# Altium PCB XTIDA-010086.PcbDoc (part 6 of 17) (continued)
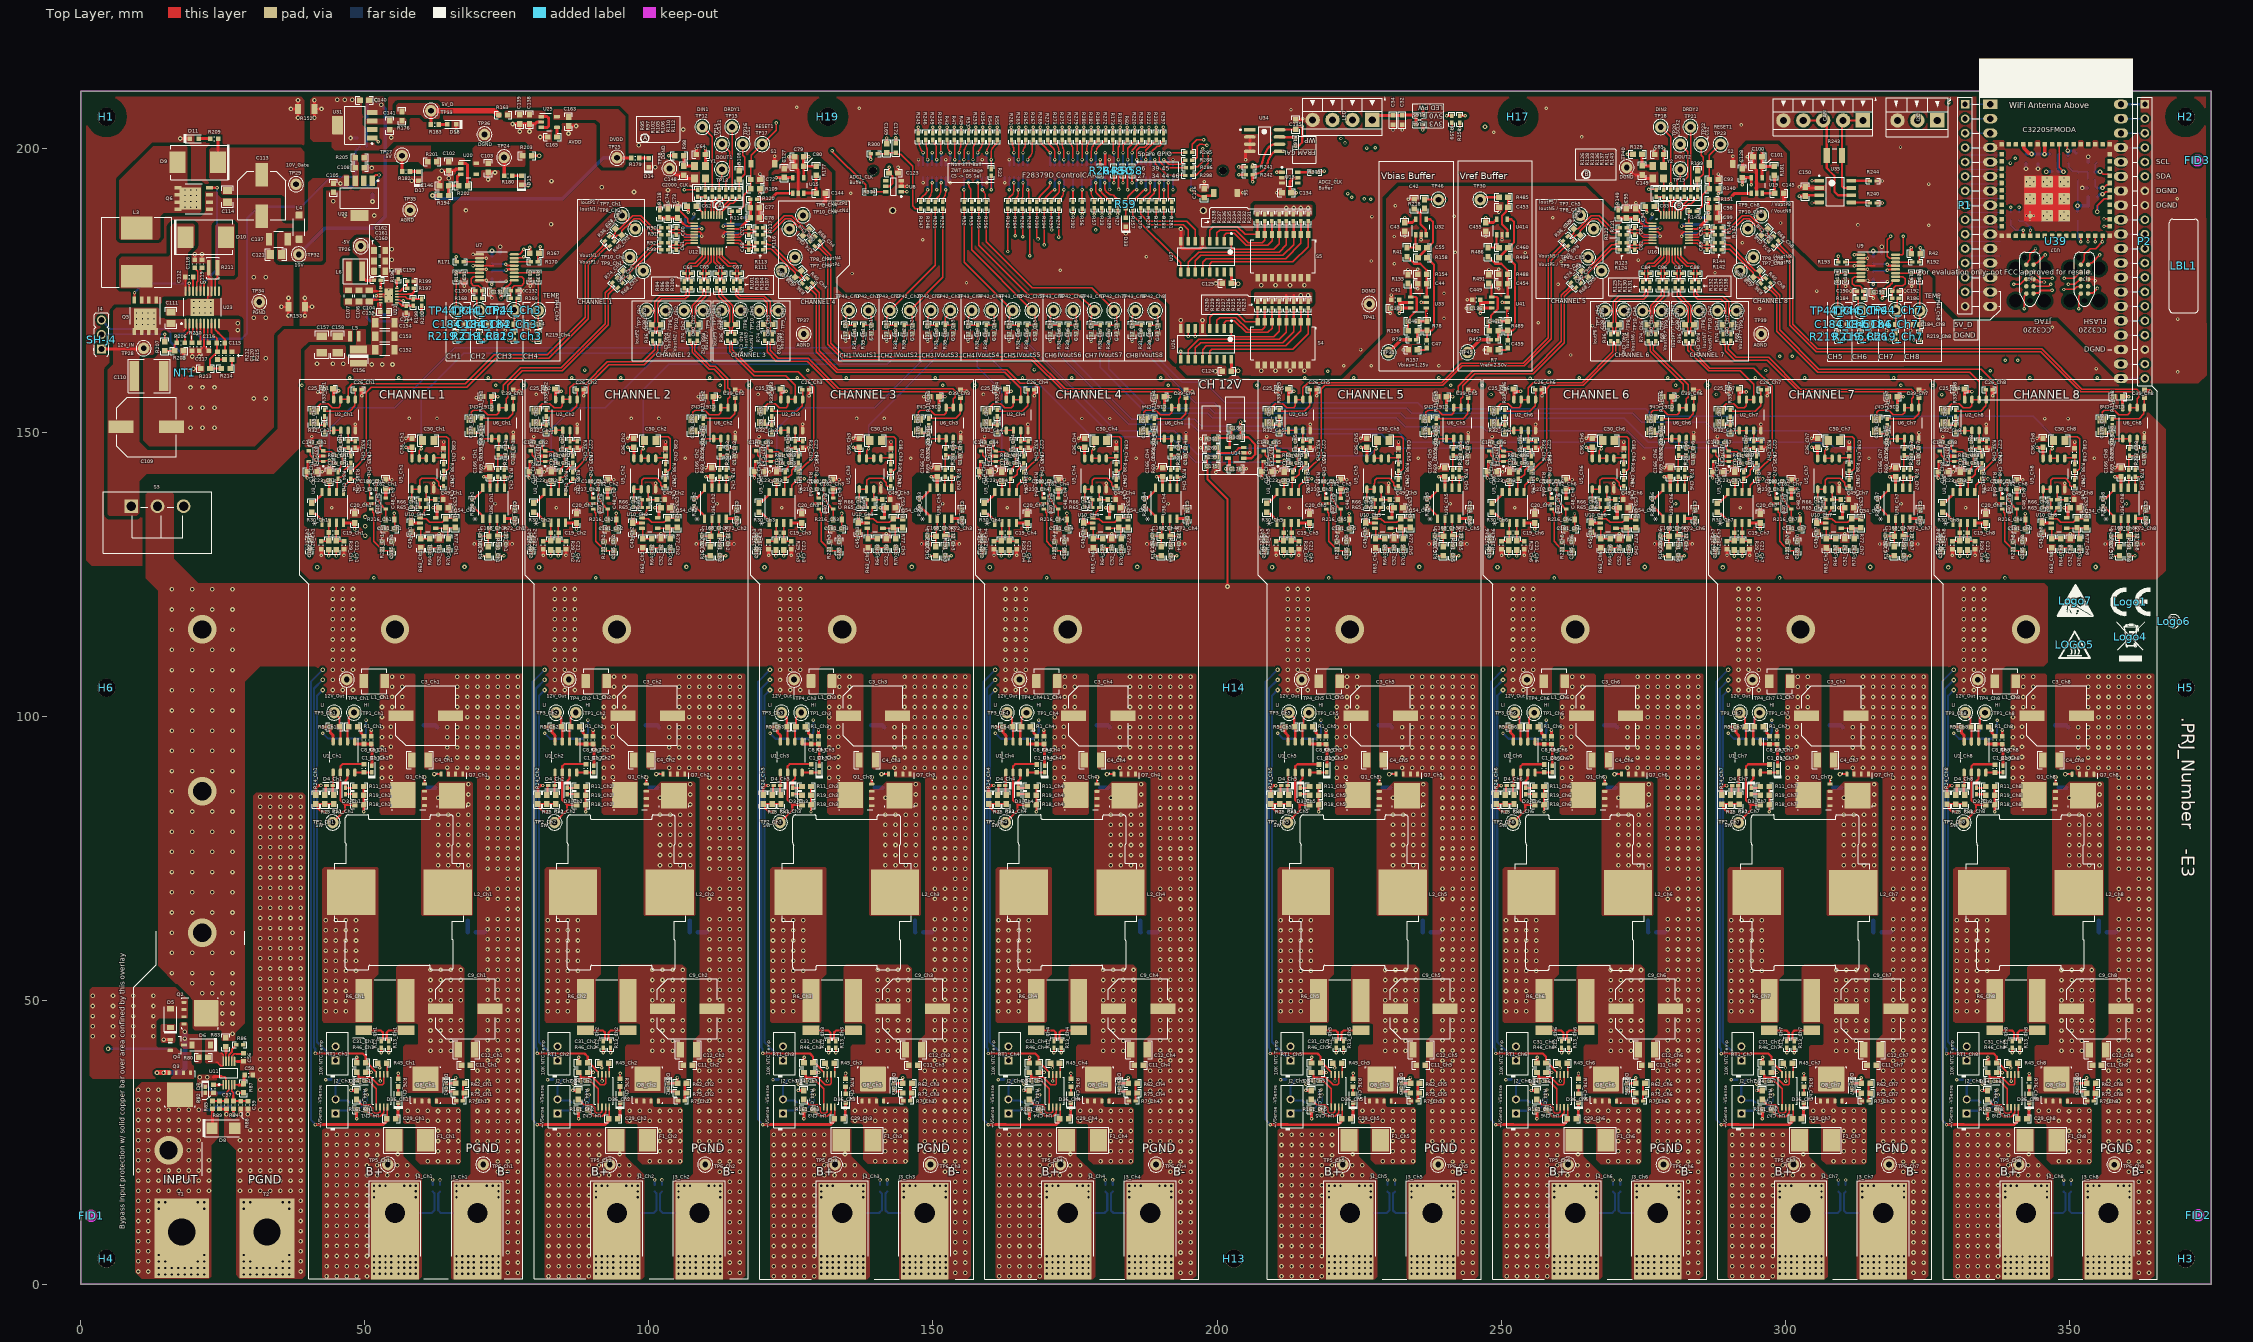
[diagram p0: Top Layer view]
## Part data (continued)
R243: "Resistor", LatestRevisionDate=29-May-2009, LatestRevisionNote="IPC-7351 Footprint Added.", PackageDescription="Chip Resistor", PackageReference=J1-0603, Published=8-Jun-2000, Publisher="Altium Limited"
R260 R303: library part Resistor, "RES, 13 k, 0.1%, 0.1 W, 0603", Manufacturer="Yageo America", Power_W=100mW, TempCo="25 ppm/C", Tolerance_%=0.1%, Value2=0.1W, Value_Code=13k, AEC Category=Q200, AEC Qualified=?, CompType=Resistor, EIA_Code=E192, LatestRevisionDate=2017-03-09, MountType=SMT, PackageReference=0603, Published=2008-06-26, Publisher="Texas Instruments", Res_ohm=13k, RoHS=Y, SizeArea_mm2=1.28, SizeX_mm=1.6, SizeY_mm=0.8, SizeZ_mm=1, Technology="Thin Film", U/M=EA, Value1=0.1%, ValueDisplayed=13k, VDC_V=75V
R299 R301: library part Resistor, "RES, 80.6 k, 0.1%, 0.1 W, 0603", Manufacturer="Yageo America", Power_W=100mW, TempCo="25 ppm/C", Tolerance_%=0.1%, Value2=0.1W, Value_Code=80.6k, AEC Category=Q200, AEC Qualified=?, ComponentLink1Description="Datasheet link", ComponentLink1URL=http://www.yageo.com/pdf/PYu-RT_1-to-0.05_RoHS_L_3.pdf, CompType=Resistor, EIA_Code=E192, LatestRevisionDate=2017-03-09, MountType=SMT, PackageReference=0603, Published=2008-06-26, Publisher="Texas Instruments", Res_ohm=80.6k, RoHS=Y, SizeArea_mm2=1.28, SizeX_mm=1.6, SizeY_mm=0.8, SizeZ_mm=1, Supplier 1=Mouser, Technology="Thin Film", U/M=EA, Value1=0.1%, ValueDisplayed=80.6k, VDC_V=75V
R316: library part RES_generic, "2.7k 1% 100mW 0603 metal-film resistor AEC-Q200 qualified, RoHS compliant", ID=11446
RT1_Ch1 RT1_Ch2 RT1_Ch3 RT1_Ch4 RT1_Ch5 RT1_Ch6 RT1_Ch7 RT1_Ch8: "Thermistor", Code_IPC=RESC2012, Group=TS, LatestRevisionDate=29-May-2009, LatestRevisionNote="IPC-7351 Footprint Added.", PackageDescription="Chip Resistor 0805 Case Size", PackageReference=6-0805, PackageVersion=Mar-2003, Published=24-Mar-1999, Publisher="Altium Limited"
S1 S2 S6: library part CMP-0002143-3, "Switch, Tactile, SPST-NO, 0.05A, 12V, SMT", CurrentRating_mA=50A, Manufacturer=E-Switch, PartNumber=TL1015AF160QG, Supplier Part Number 1=EG4344CT-ND, Circuit=SPST-NO, ComponentLink1Description="Datasheet URL", ComponentLink1URL=http://spec.e-switch.com/P-J/P420000.pdf, CompType=Switch, LatestRevisionDate=2017-03-09, MountType=SMT, Orientation="Top Actuated", PackageReference="Switch, 4.4x2x2.9 mm", PositionCount=1, Publisher="Texas Instruments", RoHS=Y, Supplier 1=Digi-Key, Supplier 2=Newark, Supplier 3=Mouser, Supplier Part Number 2=15N4458, Supplier Part Number 3=612-TL1015AF, SwitchFunction=Off-Mom, VDC_V=12V
S3: "SWITCH SLIDE SPST 4A PCB, TH", CurrentRating_mA=4000, Manufacturer="C&K Components", Supplier Part Number 1=CKC5106-ND, Circuit=SPST, ComponentLink1Description="Datasheet URL", ComponentLink1URL=https://sps06.itg.ti.com/sites/KMS/crossdivteams/altium/docs/ComponentDatasheets/L_17may12.pdf, CompType=Switch, LatestRevisionDate=2017-04-05, MountType=TH, Orientation=Vertical, PackageReference="Slide Switch, TH, SPST", PartNumber=L101011MS02Q, PositionCount=1, Publisher="Texas Instruments", RoHS=Y, Supplier 1=Digi-Key, Supplier 2=Newark, Supplier 3=Mouser, Supplier Part Number 2=40M0406, Supplier Part Number 3=611-L101011MS02Q, SwitchFunction=Off-On, Symbol Creator=a0411947, Symbol Version=2013-04-17, VDC_V=125
S4 S5: library part CMP-0002229-1, "Switch, SPST, 8 Pos, 25mA, 24VDC, SMD", CurrentRating_mA=25A, Manufacturer="CTS Electrocomponents", Supplier Part Number 1=CT2188LPST-ND, Circuit=SPST, ComponentLink1Description="Datasheet Link", ComponentLink1URL=http://www.ctscorp.com/components/Datasheets/218.pdf, CompType=Switch, LatestRevisionDate=2017-03-09, MountType=SMT, Orientation="Top Actuated", PackageReference=11.33x5.8mm, PartNumber=218-8LPST, PositionCount=8, Publisher="Texas Instruments", RoHS=Y, Supplier 1=Digi-Key, Supplier 2=Mouser, Supplier Part Number 2=774-2188LPST, SwitchFunction=Off-On, VDC_V=24V
SH-J4: "Shunt, 2.54mm, Gold, Black", Manufacturer="Wurth Elektronik", Supplier Part Number 1=732-2678-ND, ComponentLink1Description="Datasheet Link", ComponentLink1URL=http://katalog.we-online.de/em/datasheet/60900213421.pdf, CompType=Shunt, Green_EU RoHS=Passed, Green_EU RoHS-2=Incomplete, Green_Lifecycle=Active, Green_REACh=Passed, LatestRevisionDate=2017-06-22, MountType=N/A, PackageReference="Shunt, 2.54mm, Black", PartNumber=60900213421, Publisher="Texas Instruments", RoHS=Y, Supplier 1=Digi-Key, Supplier 2=Newark, Supplier 3=Mouser, Supplier Part Number 2=16T0609, Supplier Part Number 3=710-60900213421
T1 T2: "Terminal 50A Lug", Manufacturer=Panduit, Supplier Part Number 1=CB35-36-CY-ND, Voltage_V=600, Cert_CULUS=Y, ComponentLink1Description="Datasheet URL", ComponentLink1URL=http://www.panduit.com/heiler/PartDrawings/C-PCCB25-18-CY--ENG.pdf, CompType="Screw Terminal", ContactFinish=Copper, Green_EU RoHS=Incomplete, Green_EU RoHS-2=Incomplete, Green_Lifecycle="Not Set", Green_REACh=Incomplete, LatestRevisionDate=2017-06-26, MountType=TH, PackageReference=CB35-36-CY, PartNumber=CB35-36-CY, Publisher="Texas Instruments", RoHS=Y, Supplier 1=Digi-Key, SymbolCreator=crossc, SymbolVersion=2009-10-14
TP1_Ch1 TP1_Ch2 TP1_Ch3 TP1_Ch4 TP1_Ch5 TP1_Ch6 TP1_Ch7 TP1_Ch8 TP3_Ch1 TP3_Ch2 TP3_Ch3 TP3_Ch4 TP3_Ch5 TP3_Ch6 TP3_Ch7 TP3_Ch8 TP7_Ch1 TP7_Ch2 TP7_Ch3 TP7_Ch4 TP7_Ch5 TP7_Ch6 TP7_Ch7 TP7_Ch8 TP8_Ch1 TP8_Ch2 TP8_Ch3 TP8_Ch4 TP8_Ch5 TP8_Ch6 TP8_Ch7 TP8_Ch8 TP9_Ch1 TP9_Ch2 TP9_Ch3 TP9_Ch4 TP9_Ch5 TP9_Ch6 TP9_Ch7 TP9_Ch8 TP10_Ch1 TP10_Ch2 TP10_Ch3 TP10_Ch4 TP10_Ch5 TP10_Ch6 TP10_Ch7 TP10_Ch8 TP12 TP13 TP14 TP15 TP16 TP17 TP18 TP19 TP20 TP21 TP22 TP23 TP42_Ch1 TP42_Ch2 TP42_Ch3 TP42_Ch4 TP42_Ch5 TP42_Ch6 TP42_Ch7 TP42_Ch8 TP43_Ch1 TP43_Ch2 TP43_Ch3 TP43_Ch4 TP43_Ch5 TP43_Ch6 TP43_Ch7 TP43_Ch8 TP44_Ch1 TP44_Ch2 TP44_Ch3 TP44_Ch4 TP44_Ch5 TP44_Ch6 TP44_Ch7 TP44_Ch8: "Test Point, Miniature, White, TH", Color=White, Manufacturer=Keystone, Supplier Part Number 1=36-5002-ND, ComponentLink1Description="Datasheet URL", ComponentLink1URL=http://www.keyelco.com/userAssets/file/M60-2p60.pdf, CompType="Test Point Loop", ContactFinish=Silver, Green_EU RoHS=Passed, Green_EU RoHS-2=Passed, Green_Lifecycle=Active, Green_REACh=Passed, LatestRevisionDate=2017-05-11, MountType=TH, PackageReference="White Miniature Testpoint", PartNumber=5002, Publisher="Texas Instruments", RoHS=Y, Supplier 1=Digi-Key, Supplier 2=Newark, Supplier 3=Mouser, Supplier Part Number 2=82H9632, Supplier Part Number 3=534-5002, SymbolVersion=2008-04-04
  TP7_Ch1 TP7_Ch2 TP7_Ch3 TP7_Ch4 TP7_Ch5 TP7_Ch6 TP7_Ch7 TP7_Ch8 TP8_Ch1 TP8_Ch2 TP8_Ch3 TP8_Ch4 TP8_Ch5 TP8_Ch6 TP8_Ch7 TP8_Ch8: Group2=CS
  TP9_Ch1 TP9_Ch2 TP9_Ch3 TP9_Ch4 TP9_Ch5 TP9_Ch6 TP9_Ch7 TP9_Ch8 TP10_Ch1 TP10_Ch2 TP10_Ch3 TP10_Ch4 TP10_Ch5 TP10_Ch6 TP10_Ch7 TP10_Ch8: Group2=VSD
  TP42_Ch1 TP42_Ch2 TP42_Ch3 TP42_Ch4 TP42_Ch5 TP42_Ch6 TP42_Ch7 TP42_Ch8: Group=ACS, Group2=VSS
  TP43_Ch1 TP43_Ch2 TP43_Ch3 TP43_Ch4 TP43_Ch5 TP43_Ch6 TP43_Ch7 TP43_Ch8: Group=ACS, Group2=CS
  TP44_Ch1 TP44_Ch2 TP44_Ch3 TP44_Ch4 TP44_Ch5 TP44_Ch6 TP44_Ch7 TP44_Ch8: Group=TS
TP2_Ch1 TP2_Ch2 TP2_Ch3 TP2_Ch4 TP2_Ch5 TP2_Ch6 TP2_Ch7 TP2_Ch8 TP4_Ch1 TP4_Ch2 TP4_Ch3 TP4_Ch4 TP4_Ch5 TP4_Ch6 TP4_Ch7 TP4_Ch8 TP5_Ch1 TP5_Ch2 TP5_Ch3 TP5_Ch4 TP5_Ch5 TP5_Ch6 TP5_Ch7 TP5_Ch8 TP24 TP25 TP26 TP27 TP28 TP29 TP30 TP31 TP32 TP33 TP45 TP46: "Test Point, Miniature, Red, TH", Color=Red, Manufacturer=Keystone, Supplier Part Number 1=36-5000-ND, ComponentLink1Description="Datasheet URL", ComponentLink1URL=http://www.keyelco.com/userAssets/file/M60-2p60.pdf, CompType="Test Point Loop", ContactFinish=Silver, Green_EU RoHS=Passed, Green_EU RoHS-2=Incomplete, Green_Lifecycle=Active, Green_REACh=Passed, LatestRevisionDate=2017-05-11, MountType=TH, PackageReference="Red Miniature Testpoint", PartNumber=5000, Publisher="Texas Instruments", RoHS=Y, Supplier 1=Digi-Key, Supplier 2=Mouser, Supplier Part Number 2=534-5000, SymbolVersion=2008-04-04
  TP4_Ch1 TP4_Ch2 TP4_Ch3 TP4_Ch4 TP4_Ch5 TP4_Ch6 TP4_Ch7 TP4_Ch8 TP5_Ch1 TP5_Ch2 TP5_Ch3 TP5_Ch4 TP5_Ch5 TP5_Ch6 TP5_Ch7 TP5_Ch8: Group=PS
TP6_Ch1 TP6_Ch2 TP6_Ch3 TP6_Ch4 TP6_Ch5 TP6_Ch6 TP6_Ch7 TP6_Ch8 TP34 TP35 TP36 TP37 TP38 TP39 TP40 TP41: "Test Point, Miniature, Black, TH", Color=Black, Manufacturer=Keystone, Supplier Part Number 1=36-5001-ND, ComponentLink1Description="Datasheet URL", ComponentLink1URL=http://www.keyelco.com/userAssets/file/M60-2p60.pdf, CompType="Test Point Loop", ContactFinish=Silver, Green_EU RoHS=Passed, Green_EU RoHS-2=Incomplete, Green_Lifecycle=Active, Green_REACh=Passed, LatestRevisionDate=2017-05-11, MountType=TH, PackageReference="Black Miniature Testpoint", PartNumber=5001, Publisher="Texas Instruments", RoHS=Y, Supplier 1=Digi-Key, Supplier 2=Mouser, Supplier Part Number 2=534-5001, SymbolVersion=2008-04-04
  TP6_Ch1 TP6_Ch2 TP6_Ch3 TP6_Ch4 TP6_Ch5 TP6_Ch6 TP6_Ch7 TP6_Ch8: Group=PS
U1_Ch1 U1_Ch2 U1_Ch3 U1_Ch4 U1_Ch5 U1_Ch6 U1_Ch7 U1_Ch8: library part CMP-0071433-1, "High Voltage 1A Peak Half Bridge Gate Driver, 8-pin Narrow SOIC, Pb-Free", Manufacturer="Texas Instruments", PackageTopMarking=NSZXTT*L5109*BMA, PowerWise=N, Code_IPC=SOIC127P600-8, Code_JEDEC=MS-012-AA, ComponentLink1Description="Datasheet URL", ComponentLink1URL=http://www.ti.com/general/docs/lit/getliterature.tsp?genericPartNumber=LM5109B&fileType=pdf, CompType=MiscPower, PackageDescription="SOIC Narrow, 4.9 x 3.9 x 1.45mm, 8 Lead, 1.27mm Pitch", PackageReference=D0008A, PinCount=8, RoHS=Y
U2_Ch1 U2_Ch2 U2_Ch3 U2_Ch4 U2_Ch5 U2_Ch6 U2_Ch7 U2_Ch8 U5_Ch1 U5_Ch2 U5_Ch3 U5_Ch4 U5_Ch5 U5_Ch6 U5_Ch7 U5_Ch8 U6_Ch1 U6_Ch2 U6_Ch3 U6_Ch4 U6_Ch5 U6_Ch6 U6_Ch7 U6_Ch8: library part Opamp_Dual, "36V, Low Power, RRO, General Purpose Operational Amplifier, D0008A (SOIC-8)", Alternate Manufacturer="Texas Instruments", ComponentLink1Description="Datasheet Link", ComponentLink1URL=http://www.ti.com/lit/ds/symlink/tlv2171.pdf, CompType=IC, Footprint Path 6=C:\AltiumLibraries\Footprints\TI\.PcbLib, LatestRevisionDate=2017-06-09, Manufacturer="Texas Instruments", MountType=SMT, PackageDescription=SOIC-8, PackageReference=D0008A, PartId=1, PartNumber=TLV2171IDR, Publisher="Texas Instruments", RoHS=Y, SizeArea_mm2=30.38, SizeAreaWB_mm2=56.58, SizeX_mm=4.9, SizeY_mm=6.2, SizeZ_mm=1.75, U/M=EA
  U2_Ch1 U2_Ch2 U2_Ch3 U2_Ch4 U2_Ch5 U2_Ch6 U2_Ch7 U2_Ch8: Group2=CS
  U5_Ch1 U5_Ch2 U5_Ch3 U5_Ch4 U5_Ch5 U5_Ch6 U5_Ch7 U5_Ch8: Group2=VSS
  U6_Ch1 U6_Ch2 U6_Ch3 U6_Ch4 U6_Ch5 U6_Ch6 U6_Ch7 U6_Ch8: Group2=VSD
U3_Ch1 U3_Ch2 U3_Ch3 U3_Ch4 U3_Ch5 U3_Ch6 U3_Ch7 U3_Ch8 U36_Ch1 U36_Ch2 U36_Ch3 U36_Ch4 U36_Ch5 U36_Ch6 U36_Ch7 U36_Ch8: "Noise Low-Power Precision Instrumentation Amplifier 35uV Offset 8nV/√Hz 8-Pin SOIC T/R", Manufacturer="Texas Instruments", Manufacturer Part Number=INA818IDR, Supplier Part Number 1=296-INA818IDRCT-ND, Built_By=EMA_Rebekah, Category="Amplifiers - Op Amps, Buffer, Instrumentation", Copyright="Copyright (C) 2018 Accelerated Designs. All rights reserved", Manufacturer_Part_Number=INA818ID, Pricing 1="1=4.78000, 10=4.29400, 25=4.05920, 100=3.33740, 250=2.99464, 500=2.88640, 1000=2.39932 (USD)", RefDes=RefDes, RoHS=No, SourceLibrary=TI_2020-04-29, Stock 1=3157, Supplier 1=Digi-Key, Type=DEV, Vendor="Texas Instruments"
  U3_Ch1 U3_Ch2 U3_Ch3 U3_Ch4 U3_Ch5 U3_Ch6 U3_Ch7 U3_Ch8: Group2=CS
  U36_Ch1 U36_Ch2 U36_Ch3 U36_Ch4 U36_Ch5 U36_Ch6 U36_Ch7 U36_Ch8: Group2=VSD
U4_Ch1 U4_Ch2 U4_Ch3 U4_Ch4 U4_Ch5 U4_Ch6 U4_Ch7 U4_Ch8: "Dual, Micropower, Push-Pull Outputs, LinCMOS(TM) Voltage Comparator", Manufacturer="Texas Instruments", PACKAGE_DESIGNATOR=PW, Copyright="Copyright (C) 2018 Accelerated Designs. All rights reserved", Datasheet_URL=http://www.ti.com/lit/gpn/TLC3702, FAMILY_NAME=COMPARATOR, GENERIC_PART_NUMBER=TLC3702, Group=RV, INDUSTRY_STD_PKG_TYPE=TSSOP, Manufacturer_Part_Number=TLC3702CPW, PIN_COUNT=8, RefDes=RefDes, Type=DEV, Vendor="Texas Instruments"
U7 U9: "No Description Available", Manufacturer="Texas Instruments", PartNumber=ADS1119IPWR, Copyright="Copyright (C) 2018 Accelerated Designs. All rights reserved", RefDes=RefDes, Type=DEV
  U7: Group2=T1
  U9: Group2=T2
U8 U13: library part CMP-0859-00237-4, "Dual Schmitt-Trigger Buffer, DBV0006A, SMALL T&R", F @ Nom Voltage(Max)(Mhz)=150, Generic Part Number=SN74LVC2G17, ICC @ Nom Voltage(Max)(mA)=0.01, Manufacturer="Texas Instruments", Operating Temperature Range(C)="-40 to 125,-40 to 85", Rating=Catalog, tpd @ Nom Voltage(Max)(ns)=9.3,5.7,5.4,4.3, Voltage(Nom)(V)=1.8,2.5,3.3,5, 3-State Output=No, Bits(#)=2, DatasheetVersion=SCES381N, Input Type=CMOS/TTL, Logic=True, Output Drive (IOL/IOH)(Max)(mA)=32/-32, Output Type=CMOS, PackageReference=DBV0006A, Schmitt Trigger=Yes, Sub-Family="Non-Inverting Buffer/Driver", Technology Family=LVC, VCC(Max)(V)=5.5, VCC(Min)(V)=1.65
U10_Ch1 U10_Ch2 U10_Ch3 U10_Ch4 U10_Ch5 U10_Ch6 U10_Ch7 U10_Ch8 U14: library part OpAmp_Single_SOTSTD, "36V, Low-Power, RRO, General-Purpose Operational Amplifier, DBV0005A (SOT-23-5)", Alternate Manufacturer="Texas Instruments", Alternate PartNumber=TLV171IDBVT, ComponentLink1Description="Datasheet Link", ComponentLink1URL=http://www.ti.com/lit/ds/symlink/tlv171.pdf, CompType=IC, Footprint Path 6=C:\AltiumLibraries\Footprints\TI\.PcbLib, LatestRevisionDate=2017-06-09, Manufacturer="Texas Instruments", MountType=SMT, PackageDescription=SOT-23-5, PackageReference=DBV0005A, PartNumber=TLV171IDBVR, Publisher="Texas Instruments", RoHS=Y, SizeArea_mm2=8.12, SizeAreaWB_mm2=14.82, SizeX_mm=2.8, SizeY_mm=2.9, SizeZ_mm=1.45, U/M=EA
  U10_Ch1 U10_Ch2 U10_Ch3 U10_Ch4 U10_Ch5 U10_Ch6 U10_Ch7 U10_Ch8: Group2=VSS
U11: library part LM5060Q1MMX/NOPB, "High-Side Protection Controller with Low Quiescent Current, 10-pin MSOP, Pb-Free", Manufacturer="Texas Instruments", PackageTopMarking=ZXTT*SZAB, PowerWise=N, Code_JEDEC=MO-187-BA, ComponentLink1Description="LM5060 Datasheet", ComponentLink1URL=http://www.national.com/ds/LM/LM5060.pdf, ComponentLink2Description="LM5060 Web Page", ComponentLink2URL=http://www.national.com/pf/LM/LM5060.html, ComponentLink3Description="MUB10A Package Page", ComponentLink3URL=http://www.national.com/packaging/folders/mub10a.html, CompType=Switcher, DatasheetVersion=Nov-2009, PackageDescription="Mini-SO, Molded, .118 x .118 x .034in Body, 10 Lead, .0197in Pitch", PackageReference=MUB10A, PackageVersion="revB, Jul-2003", PartNumber=LM5060MM/NOPB, PinCount=10, Published=1-Mar-2010, Publisher="Altium Limited", RoHS=Y, Supplier 1=Digi-Key, Supplier Part Number 1=LM5060MM/NOPB
U12 U16: library part CMP-0085527-1, "8-Channel, 24-Bit, Simultaneously-Sampling, Delta-Sigma ADC, PBS0032A (TQFP-32)", Alternate Manufacturer="Texas Instruments", AEC Category=Q200, AEC Qualified=N, ComponentLink1Description="Datasheet Link", ComponentLink1URL=http://www.ti.com/lit/ds/symlink/ads131m08.pdf, ComponentLink2Description="Product Folder", ComponentLink2URL=http://www.ti.com/product/ads131m08, ComponentLink3Description="Online Datasheet", ComponentLink3URL=http://www.ti.com/product/ads131m08/datasheet, CompType=IC, Manufacturer="Texas Instruments", MountType=SMT, PackageDescription=TQFP-32, PackageReference=PBS0032A, PartNumber=ADS131M08IPBSR, SizeArea_mm2=49, SizeAreaWB_mm2=81, SizeX_mm=7, SizeY_mm=7, SizeZ_mm=1.2
U15 U19: library part CMP-0013048-2, "DUAL OUTPUT VOLTAGE REFERENCE 2.5V, DBV0005A (SOT-5)", Alternate Manufacturer="Texas Instruments", ComponentLink1Description="Datasheet Link", ComponentLink1URL="https://sps06.itg.ti.com/sites/KMS/crossdivteams/altium/docs/ComponentDatasheets/REF20XX_DUAL OUTPUT .pdf", CompType=IC, LatestRevisionDate=2017-03-09, Manufacturer="Texas Instruments", MountType=SMT, PackageDescription=SOT-5, PackageReference=DBV0005A, PartNumber=REF2025DBV, Publisher="Texas Instruments", RoHS=Y, SizeArea_mm2=8.12, SizeAreaWB_mm2=14.82, SizeX_mm=2.8, SizeY_mm=2.9, SizeZ_mm=1.45, U/M=EA
U17: "CC3220MODASF12MONR - IC RF TxRx + MCU WiFi 802.11b/g/n 2.4GHz 63-SMD Module, RoHS compliant", ID=38385
U20: library part CMP-0066020-1, "250-mA Ultra-Low-Noise, Low-IQ LDO, DBV0005A (SOT-23-5)", Alternate Manufacturer="Texas Instruments", ComponentLink1Description="Datasheet Link", ComponentLink1URL=http://www.ti.com/lit/ds/symlink/lp5907.pdf, CompType=IC, Footprint Path 6=C:\AltiumLibraries\Footprints\TI\.PcbLib, Green_EU RoHS=Passed, Green_EU RoHS-2=Passed, Green_Lifecycle=Active, Green_REACh=Passed, LatestRevisionDate=2017-06-09, Manufacturer="Texas Instruments", MountType=SMT, PackageDescription=SOT-23-5, PackageReference=DBV0005A, PartNumber=LP5907MFX-3.3/NOPB, Publisher="Texas Instruments", RoHS=Y, SizeArea_mm2=8.12, SizeAreaWB_mm2=14.82, SizeX_mm=2.8, SizeY_mm=2.9, SizeZ_mm=1.45, U/M=EA
U21: "Synchronous Inverting Buck Converter, DRR0012C", Alternate Manufacturer="Texas Instruments", ComponentLink1Description="Datasheet Link", ComponentLink1URL=https://sps06.itg.ti.com/sites/KMS/crossdivteams/altium/docs/ComponentDatasheets/TPS63710_Datasheet_2March2016.pdf, CompType=IC, LatestRevisionDate=2016-06-29, Manufacturer="Texas Instruments", MountType=SMT, PackageDescription=WSON-12, PackageReference=DRR0012C, PartNumber=TPS63710DRR, Publisher="Texas Instruments", SizeArea_mm2=9, SizeAreaWB_mm2=16, SizeX_mm=3, SizeY_mm=3, SizeZ_mm=0.8, SymbolCreator=Altium, SymbolVersion=2016-03-03, U/M=EA
U22 U31: library part CMP-0070852-1, "500mA Low Dropout CMOS Linear Regulators Stable with Ceramic Output Capacitors, 5-pin SOT-223, Pb-Free, 1000 Reel", Manufacturer="Texas Instruments", PackageTopMarking=XYTT*LJZB, PowerWise=Y, Code_IPC=SOT223-5, Code_JEDEC=TO-261-AB, ComponentLink1Description="Datasheet URL", ComponentLink1URL=http://www.ti.com/general/docs/lit/getliterature.tsp?genericPartNumber=LP38693&fileType=pdf, CompType="LDO IC", High-Reliability=Y, PackageDescription="Moldec SOT-223, 6.50 x 3.56 x 1.6mm Body, 5 Lead, 1.5mm Pitch", PackageReference=NDC0005A, PartNumber=LP38693MP-5.0/NOPB, PinCount=5, RoHS=Y
U23: "Wide Voltage Range Buck-Boost Controller, 20-pin TSSOP-EP, Pb-Free", Manufacturer="Texas Instruments", PackageTopMarking=NSUZXYTT*LM5118*MH, PowerWise=Y, Supplier Part Number 1=LM5118MH-ND, Code_JEDEC=MO-153-ACT, ComponentLink1Description="LM5118 Datasheet", ComponentLink1URL=http://www.national.com/ds/LM/LM5118.pdf, ComponentLink2Description="LM5118 Web Page", ComponentLink2URL=http://www.national.com/pf/LM/LM5118.html, ComponentLink3Description="MXA20A Package Page", ComponentLink3URL=http://www.national.com/packaging/folders/mxa20a.html, CompType=Switcher, DatasheetVersion=Jul-2009, PackageDescription="Molded TSSOP, Jedec, 6.5 x 4.4 x 0.9mm Body, 20 Lead, 0.65mm Pitch, Exposed Pad", PackageReference=MXA20A, PackageVersion="revC, Jul-2006", PartNumber=LM5118MH/NOPB, PinCount=20, Published=1-Mar-2010, Publisher="Altium Limited", RoHS=Y, Supplier 1=Digi-Key, Supplier 2=Farnell, Supplier Part Number 2=1606457
U25: library part CMP-0036866-2, "Single Output Low Noise LDO, 400 mA, Fixed 3.3 V Output, 1.7 to 5.5 V Input, with Reverse Current Protection, 5-pin SOT-23 (DBV), -40 to 85 degC, Green (RoHS & no Sb/Br)", Alternate Manufacturer="Texas Instruments", Alternate PartNumber=TPS73633DBVT, Rating=Catalog, Accuracy(%)=1, AEC Category=Q200, AEC Qualified=N, Code_JEDEC=MO-178, ComponentLink1Description="Datasheet Link", ComponentLink1URL=http://www.ti.com/lit/ds/symlink/tps736.pdf, ComponentLink2Description="Product Folder", ComponentLink2URL=http://www.ti.com/product/tps736, ComponentLink3Description="Online Datasheet", ComponentLink3URL=http://www.ti.com/product/tps736/datasheet, CompType=IC, DatasheetVersion=SBVS038T, Eco-Plan="Green (RoHS & no Sb/Br)", Fixed Output Options(V)=3.3, Green_EU RoHS=Passed, Green_EU RoHS-2=Passed, Green_Lifecycle=Active, Green_REACh=Passed, Iout(Max)(A)=0.4, Iq(Typ)(mA)=0.3, Manufacturer="Texas Instruments", MountType=SMT, PackageDescription=SOT-23-5, PackageReference=DBV0005A, PackageVersion=4073253-4/K, PartNumber=TPS73633DBVR, RoHS=Y, SizeArea_mm2=8.12, SizeAreaWB_mm2=14.82, SizeX_mm=2.8, SizeY_mm=2.9, SizeZ_mm=1.45, SubFamily="Single Channel LDO", Vdo(Typ)(mV)=75, Vin(Max)(V)=5.5, Vin(Min)(V)=1.7, Vout Adj(Max)(V)=3.3, Vout Adj(Min)(V)=3.3
U26 U27: library part CMP-0088185-1, "Priority Encoder 1 x 8:3 16-SOIC", Manufacturer="Texas Instruments", Operating Temperature Range="-40°C to +85°C", AEC Qualified=No, ComponentLink1Description=Datasheet, ComponentLink1URL=http://www.ti.com/lit/ds/symlink/sn74hc148.pdf, PackageReference=SOIC16, PartNumber=SN74HC148DR, RoHS=TRUE, SizeZ_mm=1.75mm, Symbol Name=SYM-SN74HC148DR
U32 U414: "Low-Noise, 900 kHz, RRIO, Precision Operational Amplifier, Zerø-Drift Series, 2.2 to 5.5 V, -40 to 125 degC, 5-pin SOT23 (DBV0005A), Green (RoHS & no Sb/Br)", Alternate Manufacturer="Texas Instruments", Alternate PartNumber=Equivalent, Supplier Part Number 1=296-24619-2-ND, Total Supply Voltage(Max)(+5V is 5, +/-5V is 10)=5.5, Total Supply Voltage(Min)(+5V is 5, +/-5V is 10)=2.2, CMRR(Min)(dB)=100, Code_JEDEC=MO-178, ComponentLink1Description="Manufacturer URL", ComponentLink1URL=http://www.ti.com/, ComponentLink2Description=Datasheet, ComponentLink2URL=http://www.ti.com/general/docs/lit/getliterature.tsp?genericPartNumber=OPA378&fileType=pdf, ComponentLink3Description="Package Specification", ComponentLink3URL=http://www.ti.com/litv/pdf/mpds018i, DatasheetVersion=SBOS417D, Eco-Plan="Green (RoHS & no Sb/Br)", IIB(Max)(pA)=550, Iq per channel(Max)(mA)=0.15, Manufacturer="Texas Instruments", MountType=SMT, Number of Channels=1, Offset Drift(Typ)(uV/C)=0.1, PackageDescription="5-Pin Plastic Small Outline, Body 1.6 x 2.9 mm, Pitch 0.95 mm", PackageReference=DBV0005A, PackageVersion="4073253-4/K, 03/2006", PartNumber=OPA378AIDBVT, Slew Rate(Typ)(V/us)=0.4, Sub Family="Low Input Bias Current Amp (<=10pA), Low Offset Voltage Amplifier (<=500uV), Low Power Amp (<=500uA), Low Supply Voltage Amplifier (<=2.7V), Precision Amplifier, Zero Drift Precision Amplifier", Supplier 1=Digi-Key, Supplier 2=Digi-Key, Supplier 3=Digi-Key, Supplier 4=Farnell, Supplier 5=Newark, Supplier 6=Mouser, Supplier Part Number 2=296-24619-1-ND, Supplier Part Number 3=296-24619-6-ND, Supplier Part Number 4=1735565, Supplier Part Number 5=14R7884, Supplier Part Number 6=595-OPA378AIDBVT, Vio (25C)(Max)(mV)=0.05, Vn at 1kHz(Typ)(nV/rtHz)=20
U33 U41: "LOW POWER HIGH SPEED OP AMP", Case/Package=SOT-23-6, Input Bias Current=340nA, Input Offset Voltage (Vos)=30uV, Manufacturer="Texas Instruments", Max Operating Temperature=125°C, Min Operating Temperature=-40°C, Operating Supply Current=592uA, Supplier Part Number 1=296-49253-1-ND, Built_By=EMA_Molly, Category="Amplifiers - Op Amps, Buffer, Instrumentation", ComponentLink1Description=http://www.ti.com/lit/ds/symlink/opa837.pdf?src-supplier=Digi-Key, ComponentLink1URL=http://www.ti.com/lit/ds/symlink/opa837.pdf?src-supplier=Digi-Key, Copyright="Copyright (C) 2018 Accelerated Designs. All rights reserved", Gain Bandwidth Product=50MHz, Manufacturer Part Number=OPA837IDBVR, Manufacturer_Part_Number=OPA837IDBVR, Mount="Surface Mount", Number of Channels=1, Number of Circuits=1, Packaging="Tape and Reel", Pricing 1="1=2.28000, 10=2.05100, 25=1.93520, 100=1.54800, 250=1.35452, 500=1.31580, 1000=1.04490 (USD)", RefDes=RefDes, RoHS=No, Slew Rate=105V/µs, SourceLibrary=TI_2019-05-11, Stock 1=491, Supplier 1=Digi-Key, Type=DEV, Vendor="Texas Instruments"
U34: library part CMP-12945-000018-1, "IC FRAM 1M I2C 3.4MHZ 8SOIC", Case/Package=SOIC, Frequency=3.4MHz, Max Operating Temperature=85°C, Max Supply Voltage=3.6V, Min Operating Temperature=-40°C, Min Supply Voltage=2V, Nominal Supply Current=1mA, Operating Supply Voltage=3.3V, Package Quantity=100, Access Time=450ns, Data Bus Width=8b, Density=1Mb, Height=1.478mm, Interface=I2C, Lead Free="Lead Free", Length=4.98mm, Memory Size=1Mb, Memory Type=RAM, Mount="Surface Mount", Number of Pins=8, Number of Words=128000, Packaging=Rail/Tube, Radiation Hardening=No, Weight=0.019048oz, Width=3.987mm, Word Size=8b
U35: library part CMP-0315-00086-2, "3.3V CAN Transceiver with Sleep Mode, 6 mA, -40 to 125 degC, 8-pin SOIC (D), Green (RoHS & no Sb/Br)", Bus Fault Voltage(V)=+/-30, Drivers Per Package=1, Low Power Mode=Sleep, Manufacturer="Texas Instruments", Rating=Catalog, Supply Voltage(s)(V)=3.3, Code_JEDEC=MS-012AA, ComponentLink1Description=Datasheet, ComponentLink1URL=http://www.ti.com/general/docs/lit/getliterature.tsp?genericPartNumber=SN65HVD234&fileType=pdf, DatasheetVersion=SLLS557F, Eco-Plan="Green (RoHS & no Sb/Br)", ICC(Max)(mA)=6, Isolated=No, Mounting Technology="Surface Mount", PackageDescription="8-Pin Plastic Small Outline Integrated Circuit, 4.9 x 3.9 mm, Pitch 1.27 mm Pitch", PackageReference=D0008A, PackageVersion="revM, Jun-2011", PartNumber=SN65HVD234DR, Receivers Per Package=1, SubFamily=CAN, Transient Pulse Protection(V)="-100 to 100"
U37_Ch1 U37_Ch2 U37_Ch3 U37_Ch4 U37_Ch5 U37_Ch6 U37_Ch7 U37_Ch8: library part CMP-0272-00853-3, "Precision, 20 MHz, 0.9 pA Ib, RRIO, CMOS Operational Amplifier, 1.8 to 5.5 V, -40 to 125 degC, 5-pin SOT23 (DBV5), Green (RoHS & no Sb/Br)", Manufacturer="Texas Instruments", Total Supply Voltage(Max)(+5V is 5, +/-5V is 10)=5.5, Total Supply Voltage(Min)(+5V is 5, +/-5V is 10)=1.8, CMRR(Min)(dB)=100, Code_JEDEC=MO-178, ComponentLink1Description="Manufacturer URL", ComponentLink1URL=http://www.ti.com/, ComponentLink2Description=Datasheet, ComponentLink2URL=http://www.ti.com/general/docs/lit/getliterature.tsp?genericPartNumber=OPA320&fileType=pdf, ComponentLink3Description="Package Specification", ComponentLink3URL=http://www.ti.com/litv/pdf/mpds018i, DatasheetVersion=SBOS513D, Eco-Plan="Green (RoHS & no Sb/Br)", Group2=CS, IIB(Max)(pA)=0.9, Iq per channel(Max)(mA)=1.75, Mounting Technology="Surface Mount", Number of Channels=2, Offset Drift(Typ)(uV/C)=1.5, PackageDescription="5-Pin Plastic Small Outline, Body 1.6 x 2.9 mm, Pitch 0.95 mm", PackageReference=DBV0005A, PackageVersion="4073253-4/K, 03/2006", PartNumber=OPA320AIDBVR, Slew Rate(Typ)(V/us)=10, Sub Family="High Output Current Amplifier (>=50mA), Low Input Bias Current Amp (<=10pA), Low Noise Amp (<=10nV/rtHz), Low Offset Voltage Amplifier (<=500uV), Low Supply Voltage Amplifier (<=2.7V), Precision Amplifier", Vio (25C)(Max)(mV)=0.15, Vn at 1kHz(Typ)(nV/rtHz)=8.5
U39: library part ESP32_WLOIN
U40_Ch1 U40_Ch2 U40_Ch3 U40_Ch4 U40_Ch5 U40_Ch6 U40_Ch7 U40_Ch8: "No Description Available", Manufacturer="Texas Instruments", Copyright="Copyright (C) 2018 Accelerated Designs. All rights reserved", Group=TS, PartNumber=TLV9001IDBVR, RefDes=RefDes, Type=DEV
Y1 Y2: library part CMP-0081928-1, "Oscillator, 8.192 MHz, 15 pF, AEC-Q200 Grade 1, SMD", Frequency_Fixed=8.192MHz, Frequency Stability="25 ppm", Load Capacitance="15 pF", Manufacturer=SiTime, Supplier Part Number 1=1473-1658-1-ND, AEC Category=Q200, AEC Grade=1, AEC Qualified=Y, ComponentLink1Description="Datasheet Link", ComponentLink1URL=https://www.sitime.com/datasheet/SiT8924, CompType=Oscillator, MountType=SMT, PackageReference=3.2x2.5mm, PartNumber=SIT8924BA-22-33E-8.192000G, RoHS=Y, SizeArea_mm2=8, SizeAreaWB_mm2=14.7, SizeX_mm=2.5, SizeY_mm=3.2, SizeZ_mm=0.8, Supplier 1=Digi-Key, Supplier 2=Mouser, Supplier Part Number 2=788-8924BA223E8.192G, TaMax_C=125°C, TaMin_C=-40°C
ZZ1: library part CMP-0003616-3, ClassName=AssemblyNote, CompType=AssemblyNote, Key=AssemblyNoteLabel, LatestRevisionDate=2017-03-09, Publisher="Texas Instruments"
ZZ2: library part CMP-0077236-1, ClassName=AssemblyNote, CompType=AssemblyNote, Key=AssemblyNote, LatestRevisionDate=2017-08-10, Publisher="Texas Instruments"
ZZ3: library part CMP-0077237-1, ClassName=AssemblyNote, CompType=AssemblyNote, Key=AssemblyNote, LatestRevisionDate=2017-08-10, Publisher="Texas Instruments"
ZZ4: library part CMP-0077238-1, ClassName=AssemblyNote, CompType=AssemblyNote, Key=AssemblyNote, LatestRevisionDate=2017-08-10, Publisher="Texas Instruments"

## Via types
v1: diameter 0.813, hole 0.4, Top Layer to Bottom Layer, tented both sides, 4738 vias
v2: diameter 0.61, hole 0.3, Top Layer to Bottom Layer, tented both sides, 1254 vias
v3: diameter 0.813, hole 0.406, Top Layer to Bottom Layer, 728 vias
v4: diameter 0.5, hole 0.2, Top Layer to Bottom Layer, 40 vias
v5: diameter 5.45, hole 3.556, Top Layer to Bottom Layer, 16 vias
v6: diameter 5/3.65/3.65/3.65/3.65/5 (per signal layer), hole 3.2, Top Layer to Bottom Layer, 12 vias
v7: diameter 0.813, hole 0.4, Top Layer to Bottom Layer, 3 vias

## Nets (pads, with @x,y where several pads share a name; then routed paths per layer and width w, separated by ;. In a path a pad name is that pad's centre, name@x,y a point inside that pad or via, vN(x,y) a via of type N, cw(c..) or ccw(c..) an arc to the next point about the centre after c; other vN are vias at no path point)
5V: C30.2 C41.2 C43.2 C136.2 C449.2 C455.2 R182.1 R200.2 R201.1 R205.2 TP27.1 U32.5 U33.5 U33.6 U41.5 U41.6 U414.5 | length 275.7
  Top Layer w0.508: TP27.1@56.54,198.653 R182.1@56.54,195.848 R182.1@56.58,195.809 ; v1(59.995,170.967) R200.2@59.995,172.222 ; C41.2@232.096,173.294 232.119,173.27 232.119,172.811 ; v2(232.119,170.921) C30.2@232.119,171.795 ; v2(233.072,187.769) C43.2@233.072,186.895 234.392,186.895 U32.5@234.967,187.47 ; U33.6@234.094,171.861 232.185,171.861 C30.2@232.119,171.795 ; U33.5@234.094,172.811 232.119,172.811 ; C449.2@246.349,173.294 246.372,173.27 246.372,172.811 ; v2(246.372,170.921) C136.2@246.372,171.795 ; v2(247.325,187.769) C455.2@247.325,186.895 248.645,186.895 U414.5@249.22,187.47 ; U41.6@248.347,171.861 246.438,171.861 C136.2@246.372,171.795 ; U41.5@248.347,172.811 246.372,172.811 ; C30.2@232.119,171.795 232.119,172.811 ; C136.2@246.372,171.795 246.372,172.811
  Signal Layer 1 w1: v1(59.995,170.967) 59.995,180.68 55.296,185.379 55.296,197.13 56.54,198.374 TP27.1@56.54,198.653 56.54,206.15 58.887,208.497 244.563,208.497 247.167,205.892 v1(247.167,203.733)
  Signal Layer 2 w1: 236.093,187.911 236.093,192.659 v1(247.167,203.733)
5V_D: J5.9 J5.23 J5.37 J5.73 J6.5 J7.5 P1.14 R163.1 R165.1 R176.2 R183.1 TP33.1 U39.14 | length 424.3
  Top Layer w0.254: J6.5@343.733,179.461 343.881,179.461 344.251,179.831 344.428,179.831 v2(345.772,181.175) v2@345.849,181.175 ; J7.5@353.338,179.461 353.486,179.461 353.856,179.831 354.033,179.831 v2(355.377,181.175) v2@355.454,181.175
  Top Layer w0.508: R183.1@61.606,204.14 61.62,204.154 TP33.1@61.62,206.553 ; R165.1@236.234,205.811 236.245,205.822 v2(236.245,206.985)
  Top Layer w1.016: TP33.1@61.62,206.553 72.809,206.553 R163.1@73.546,205.816
  Power Layer w0.381: 162.65,208.712 162.585,208.647 162.585,202.252 162.128,201.795 162.128,196.301 163.45,194.979 v2(163.45,192.659) ; 195.417,208.712 195.45,208.679
  Power Layer w0.504: 186.65,195.87 186.665,195.885
  Power Layer w0.508: v2(236.245,206.985) 236.263,207.002 236.263,208.712
  Power Layer w0.635: TP33.1@61.62,206.553 63.779,208.712 162.65,208.712 193.85,208.712 ; v2(181.085,192.694) 181.05,192.729 181.05,194.955 181.98,195.885 186.665,195.885 192.197,195.885 192.25,195.831 ; v2(186.65,193.891) 186.65,195.87 ; v2(192.25,192.659) 192.25,195.831 ; v2(328.803,208.001) 328.092,208.712 236.263,208.712 195.417,208.712 193.85,208.712 ; 192.25,195.831 193.624,197.206 193.624,208.486 193.85,208.712
  Signal Layer 1 w0.635: v2(328.803,208.001) 329.336,207.467 329.336,175.666 330.327,174.676 P1.14@331.695,174.676 U39.14@336.118,174.676
  Signal Layer 2 w0.381: U39.14@336.118,174.676 336.598,175.156 337.428,175.156 338.752,176.48 338.752,179.951 340.411,181.61 344.642,181.61 345.034,181.219 345.728,181.219 v2(345.772,181.175) 348.358,181.175 352.019,184.836 356.311,184.836 357.073,184.074 357.073,182.871 v2(355.377,181.175)
  Bottom Layer w0.254: P1.14@331.911,174.676 U39.14@336.118,174.676
  Bottom Layer w0.381: v2(163.45,192.659) J5.73@163.45,194.925 ; J5.37@181.05,194.925 181.068,194.907 181.068,192.712 v2(181.085,192.694) ; v2(186.65,193.891) J5.23@186.65,194.925 ; v2(192.25,192.659) J5.9@192.25,194.925
10V: C23_Ch1.1 C23_Ch2.1 C23_Ch3.1 C23_Ch4.1 C23_Ch5.1 C23_Ch6.1 C23_Ch7.1 C23_Ch8.1 C24_Ch1.1 C24_Ch2.1 C24_Ch3.1 C24_Ch4.1 C24_Ch5.1 C24_Ch6.1 C24_Ch7.1 C24_Ch8.1 C31_Ch1.1 C31_Ch2.1 C31_Ch3.1 C31_Ch4.1 C31_Ch5.1 C31_Ch6.1 C31_Ch7.1 C31_Ch8.1 C53_Ch1.1 C53_Ch2.1 C53_Ch3.1 C53_Ch4.1 C53_Ch5.1 C53_Ch6.1 C53_Ch7.1 C53_Ch8.1 C105.1 C121.1 C137.1 C140.1 C166_Ch1.1 C166_Ch2.1 C166_Ch3.1 C166_Ch4.1 C166_Ch5.1 C166_Ch6.1 C166_Ch7.1 C166_Ch8.1 C177_Ch1.1 C177_Ch2.1 C177_Ch3.1 C177_Ch4.1 C177_Ch5.1 C177_Ch6.1 C177_Ch7.1 C177_Ch8.1 L4.2 R190.2 R191.2 TP32.1 U3_Ch1.7 U3_Ch2.7 U3_Ch3.7 U3_Ch4.7 U3_Ch5.7 U3_Ch6.7 U3_Ch7.7 U3_Ch8.7 U4_Ch1.8 U4_Ch2.8 U4_Ch3.8 U4_Ch4.8 U4_Ch5.8 U4_Ch6.8 U4_Ch7.8 U4_Ch8.8 U10_Ch1.5 U10_Ch2.5 U10_Ch3.5 U10_Ch4.5 U10_Ch5.5 U10_Ch6.5 U10_Ch7.5 U10_Ch8.5 U22.4 U31.4 U36_Ch1.7 U36_Ch2.7 U36_Ch3.7 U36_Ch4.7 U36_Ch5.7 U36_Ch6.7 U36_Ch7.7 U36_Ch8.7 | length 1618.7
  Top Layer w0.254: C31_Ch1.1@50.154,38.948 50.412,38.948 52.018,37.342 U4_Ch1.8@52.018,36.927 ; C31_Ch2.1@89.219,38.946 89.477,38.946 91.083,37.34 U4_Ch2.8@91.083,36.925 ; C31_Ch3.1@128.894,38.944 129.152,38.944 130.758,37.338 U4_Ch3.8@130.758,36.923 ; C31_Ch4.1@168.569,38.942 168.826,38.942 170.433,37.336 U4_Ch4.8@170.433,36.921 ; C31_Ch5.1@218.243,38.94 218.501,38.94 220.107,37.334 U4_Ch5.8@220.107,36.919 ; C31_Ch6.1@257.918,38.938 258.176,38.938 259.782,37.332 U4_Ch6.8@259.782,36.917 ; C31_Ch7.1@297.593,38.936 297.851,38.936 299.457,37.33 U4_Ch7.8@299.457,36.915 ; C31_Ch8.1@337.268,38.934 337.526,38.934 339.132,37.328 U4_Ch8.8@339.132,36.913
  Top Layer w0.381: v2(41.3,40.615) 49.596,40.615 49.599,40.618 50.154,40.063 C31_Ch1.1@50.154,38.948 ; U3_Ch1.7@43.724,139.459 C23_Ch1.1@43.724,141.387 ; v2(80.366,40.613) 88.662,40.613 88.665,40.616 89.219,40.061 C31_Ch2.1@89.219,38.946 ; U3_Ch2.7@82.789,139.457 C23_Ch2.1@82.789,141.385 ; v2(120.04,40.611) 128.336,40.611 128.339,40.614 128.894,40.059 C31_Ch3.1@128.894,38.944 ; U3_Ch3.7@122.464,139.455 C23_Ch3.1@122.464,141.383 ; v2(159.715,40.609) 168.011,40.609 168.014,40.612 168.569,40.057 C31_Ch4.1@168.569,38.942 ; U3_Ch4.7@162.138,139.453 C23_Ch4.1@162.138,141.381 ; v2(209.39,40.607) 217.686,40.607 217.689,40.61 218.243,40.055 C31_Ch5.1@218.243,38.94 ; U3_Ch5.7@211.813,139.451 C23_Ch5.1@211.813,141.379 ; v2(249.065,40.605) 257.361,40.605 257.364,40.608 257.918,40.053 C31_Ch6.1@257.918,38.938 ; U3_Ch6.7@251.488,139.449 C23_Ch6.1@251.488,141.377 ; v2(288.74,40.603) 297.036,40.603 297.039,40.606 297.593,40.051 C31_Ch7.1@297.593,38.936 ; U3_Ch7.7@291.163,139.447 C23_Ch7.1@291.163,141.375 ; v2(328.414,40.601) 336.71,40.601 336.713,40.604 337.268,40.049 C31_Ch8.1@337.268,38.934 ; U3_Ch8.7@330.838,139.445 C23_Ch8.1@330.838,141.373
  Top Layer w0.541: v2(42.657,141.387) C23_Ch1.1@43.724,141.387 ; v2(61.989,136.683) C53_Ch1.1@63.031,136.683 ; U10_Ch1.5@62.462,134.946 62.662,134.946 62.692,134.975 62.692,136.319 62.826,136.453 62.826,136.478 C53_Ch1.1@63.031,136.683 ; C53_Ch1.1@63.056,136.683 C53_Ch1.1@63.031,136.683 ; v2(70.948,142.146) C166_Ch1.1@72.015,142.146 U36_Ch1.7@72.015,140.208 ; v2(81.722,141.385) C23_Ch2.1@82.789,141.385 ; v2(101.054,136.681) C53_Ch2.1@102.096,136.681 ; U10_Ch2.5@101.527,134.944 101.727,134.944 101.757,134.973 101.757,136.317 101.891,136.451 101.891,136.476 C53_Ch2.1@102.096,136.681 ; C53_Ch2.1@102.121,136.681 C53_Ch2.1@102.096,136.681 ; v2(110.013,142.144) C166_Ch2.1@111.08,142.144 U36_Ch2.7@111.08,140.206 ; v2(121.397,141.383) C23_Ch3.1@122.464,141.383 ; v2(140.729,136.679) C53_Ch3.1@141.771,136.679 ; U10_Ch3.5@141.202,134.942 141.402,134.942 141.432,134.971 141.432,136.315 141.566,136.449 141.566,136.474 C53_Ch3.1@141.771,136.679 ; C53_Ch3.1@141.796,136.679 C53_Ch3.1@141.771,136.679 ; v2(149.688,142.142) C166_Ch3.1@150.755,142.142 U36_Ch3.7@150.755,140.204 ; v2(161.072,141.381) C23_Ch4.1@162.138,141.381 ; v2(180.404,136.677) C53_Ch4.1@181.445,136.677 ; U10_Ch4.5@180.877,134.94 181.077,134.94 181.106,134.969 181.106,136.313 181.241,136.447 181.241,136.472 C53_Ch4.1@181.445,136.677 ; C53_Ch4.1@181.47,136.677 C53_Ch4.1@181.445,136.677 ; v2(189.363,142.14) C166_Ch4.1@190.43,142.14 U36_Ch4.7@190.43,140.202 ; v2(210.746,141.379) C23_Ch5.1@211.813,141.379 ; v2(230.078,136.675) C53_Ch5.1@231.12,136.675 ; U10_Ch5.5@230.552,134.938 230.752,134.938 230.781,134.967 230.781,136.311 230.916,136.445 230.916,136.47 C53_Ch5.1@231.12,136.675 ; C53_Ch5.1@231.145,136.675 C53_Ch5.1@231.12,136.675 ; v2(239.038,142.138) C166_Ch5.1@240.104,142.138 U36_Ch5.7@240.104,140.2 ; v2(250.421,141.377) C23_Ch6.1@251.488,141.377 ; v2(269.753,136.673) C53_Ch6.1@270.795,136.673 ; U10_Ch6.5@270.226,134.936 270.426,134.936 270.456,134.965 270.456,136.309 270.59,136.443 270.59,136.468 C53_Ch6.1@270.795,136.673 ; C53_Ch6.1@270.82,136.673 C53_Ch6.1@270.795,136.673 ; v2(278.712,142.136) C166_Ch6.1@279.779,142.136 U36_Ch6.7@279.779,140.198 ; v2(290.096,141.375) C23_Ch7.1@291.163,141.375 ; v2(309.428,136.671) C53_Ch7.1@310.47,136.671 ; U10_Ch7.5@309.901,134.934 310.101,134.934 310.131,134.963 310.131,136.307 310.265,136.441 310.265,136.466 C53_Ch7.1@310.47,136.671 ; C53_Ch7.1@310.495,136.671 C53_Ch7.1@310.47,136.671 ; v2(318.387,142.134) C166_Ch7.1@319.454,142.134 U36_Ch7.7@319.454,140.196 ; v2(329.771,141.373) C23_Ch8.1@330.838,141.373 ; v2(349.103,136.669) C53_Ch8.1@350.145,136.669 ; U10_Ch8.5@349.576,134.932 349.776,134.932 349.806,134.961 349.806,136.305 349.94,136.439 349.94,136.464 C53_Ch8.1@350.145,136.669 ; C53_Ch8.1@350.17,136.669 C53_Ch8.1@350.145,136.669 ; v2(358.062,142.132) C166_Ch8.1@359.129,142.132 U36_Ch8.7@359.129,140.194
  Power Layer w0.508: 98.214,126.613 98.64,126.187 ; 137.889,126.366 138.068,126.187 ; 153.485,126.187 153.53,126.232 ; 177.564,126.305 177.682,126.187 ; 193.205,126.225 193.243,126.187 ; 227.239,126.346 227.397,126.187 ; 266.914,126.267 266.994,126.187 ; 306.525,126.187 306.588,126.251 ; 322.229,126.366 322.408,126.187
  Power Layer w0.541: 36.881,140.222 36.918,140.259 41.51,140.259 42.638,141.387 v2(42.657,141.387)
  Power Layer w2: TP32.1@38.359,181.272 43.179,176.452 43.179,170.045 36.881,163.747 36.881,140.222 36.881,128.375 39.069,126.187 v1(41.602,126.187) 67.539,126.187 98.64,126.187 138.068,126.187 153.485,126.187 177.682,126.187 193.243,126.187 227.397,126.187 266.994,126.187 306.525,126.187 322.408,126.187 346.263,126.187 v1@354.653,126.187
  Signal Layer 1 w0.541: v2(61.989,136.683) 64.026,134.645 67.539,134.645 ; v1(67.539,126.263) 67.539,134.645 ; v2(70.948,142.146) 67.539,138.737 67.539,134.645 ; v1(80.667,126.185) 80.667,140.312 81.722,141.367 v2(81.722,141.385) ; v2(101.054,136.681) 103.092,134.643 106.604,134.643 ; v1(106.604,126.261) 106.604,134.643 ; v2(110.013,142.144) 106.604,138.735 106.604,134.643 ; v1(120.342,126.183) 120.342,140.31 121.397,141.365 v2(121.397,141.383) ; v2(140.729,136.679) 142.766,134.641 146.279,134.641 ; v1(146.279,126.259) 146.279,134.641 ; v2(149.688,142.142) 146.279,138.733 146.279,134.641 ; v1(160.017,126.181) 160.017,140.308 161.072,141.363 v2(161.072,141.381) ; v2(180.404,136.677) 182.441,134.639 185.953,134.639 ; v1(185.953,126.257) 185.953,134.639 ; v2(189.363,142.14) 185.953,138.731 185.953,134.639 ; v1(209.692,126.179) 209.692,140.306 210.746,141.361 v2(210.746,141.379) ; v2(230.078,136.675) 232.116,134.637 235.628,134.637 ; v1(235.628,126.255) 235.628,134.637 ; v2(239.038,142.138) 235.628,138.729 235.628,134.637 ; v1(249.367,126.177) 249.367,140.304 250.421,141.359 v2(250.421,141.377) ; v2(269.753,136.673) 271.791,134.635 275.303,134.635 ; v1(275.303,126.253) 275.303,134.635 ; v2(278.712,142.136) 275.303,138.727 275.303,134.635 ; v1(289.041,126.175) 289.041,140.302 290.096,141.357 v2(290.096,141.375) ; v2(309.428,136.671) 311.466,134.633 314.978,134.633 ; v1(314.978,126.251) 314.978,134.633 ; v2(318.387,142.134) 314.978,138.725 314.978,134.633 ; v1(328.716,126.173) 328.716,140.3 329.771,141.355 v2(329.771,141.373) ; v2(349.103,136.669) 351.14,134.631 354.653,134.631 ; v1(354.653,126.249) 354.653,134.631 ; v2(358.062,142.132) 354.653,138.723 354.653,134.631
  Signal Layer 2 w0.381: v1(41.602,126.187) 41.602,107.46 42.57,106.492 v1(42.57,106.375) ; v1(80.667,126.185) 80.667,107.458 81.636,106.49 v1(81.636,106.373) ; v1(120.342,126.183) 120.342,107.456 121.31,106.488 v1(121.31,106.371) ; v1(160.017,126.181) 160.017,107.454 160.985,106.486 v1(160.985,106.369) ; v1(209.692,126.179) 209.692,107.452 210.66,106.484 v1(210.66,106.367) ; v1(249.367,126.177) 249.367,107.45 250.335,106.482 v1(250.335,106.365) ; v1(289.041,126.175) 289.041,107.448 290.01,106.48 v1(290.01,106.363) ; v1(328.716,126.173) 328.716,107.446 329.684,106.478 v1(329.684,106.361)
  Bottom Layer w0.381: v2(41.3,40.615) 41.257,40.658 41.257,41.467 41.046,41.677 41.046,104.851 v1(42.57,106.375) ; v2(80.366,40.613) 80.322,40.656 80.322,41.465 80.112,41.675 80.112,104.849 v1(81.636,106.373) ; v2(120.04,40.611) 119.997,40.654 119.997,41.463 119.786,41.673 119.786,104.847 v1(121.31,106.371) ; v2(159.715,40.609) 159.671,40.652 159.671,41.461 159.461,41.671 159.461,104.845 v1(160.985,106.369) ; v2(209.39,40.607) 209.346,40.65 209.346,41.459 209.136,41.669 209.136,104.843 v1(210.66,106.367) ; v2(249.065,40.605) 249.021,40.648 249.021,41.457 248.811,41.667 248.811,104.841 v1(250.335,106.365) ; v2(288.74,40.603) 288.696,40.646 288.696,41.455 288.486,41.665 288.486,104.839 v1(290.01,106.363) ; v2(328.414,40.601) 328.371,40.644 328.371,41.453 328.16,41.663 328.16,104.837 v1(329.684,106.361)
  Bottom Layer w0.508: v1(45.693,193.751) 46.277,193.167 47.739,193.167 R190.2@47.968,193.396 ; R191.2@50.343,205.118 50.343,207.797 51.003,208.458 v1(52.019,208.458)
  Bottom Layer w0.541: v2(42.657,141.387) C24_Ch1.1@43.718,141.387 ; v2(70.948,142.146) C177_Ch1.1@72.015,142.146 ; v2(81.722,141.385) C24_Ch2.1@82.783,141.385 ; v2(110.013,142.144) C177_Ch2.1@111.08,142.144 ; v2(121.397,141.383) C24_Ch3.1@122.458,141.383 ; v2(149.688,142.142) C177_Ch3.1@150.755,142.142 ; v2(161.072,141.381) C24_Ch4.1@162.133,141.381 ; v2(189.363,142.14) C177_Ch4.1@190.43,142.14 ; v2(210.746,141.379) C24_Ch5.1@211.808,141.379 ; v2(239.038,142.138) C177_Ch5.1@240.104,142.138 ; v2(250.421,141.377) C24_Ch6.1@251.483,141.377 ; v2(278.712,142.136) C177_Ch6.1@279.779,142.136 ; v2(290.096,141.375) C24_Ch7.1@291.157,141.375 ; v2(318.387,142.134) C177_Ch7.1@319.454,142.134 ; v2(329.771,141.373) C24_Ch8.1@330.832,141.373 ; v2(358.062,142.132) C177_Ch8.1@359.129,142.132
  Bottom Layer w0.635: TP32.1@38.359,181.272 42.99,185.903 51.562,185.903 53.594,187.935 53.594,206.883 v1(52.857,207.62) v1(52.019,208.458)
10V_Gate: C113.1 C114.1 D9.1 L4.1 R8_Ch1.2 R8_Ch2.2 R8_Ch3.2 R8_Ch4.2 R8_Ch5.2 R8_Ch6.2 R8_Ch7.2 R8_Ch8.2 R209.1 R215.2 TP29.1 U23.10 | length 581.2
  Top Layer w0.508: D9.1@24.155,197.477 24.17,197.492 R209.1@24.17,201.643 ; v2(51.108,97.539) 51.108,96.497 R8_Ch1.2@51.115,96.49 ; v2(90.173,97.537) 90.173,96.495 R8_Ch2.2@90.18,96.488 ; v2(129.848,97.535) 129.848,96.493 R8_Ch3.2@129.855,96.486 ; v2(169.522,97.533) 169.522,96.491 R8_Ch4.2@169.53,96.484 ; v2(219.197,97.531) 219.197,96.489 R8_Ch5.2@219.204,96.482 ; v2(258.872,97.529) 258.872,96.487 R8_Ch6.2@258.879,96.48 ; v2(298.547,97.527) 298.547,96.485 R8_Ch7.2@298.554,96.478 ; v2(338.222,97.525) 338.222,96.483 R8_Ch8.2@338.229,96.476
  Power Layer w0.7: v1(27.597,169.131) v1(27.597,167.95) 27.597,167.919 30.785,167.919 34.575,164.129 34.575,126.715 36.957,124.333 v2@338.701,124.333
  Signal Layer 2 w0.635: v2(51.108,97.539) 51.638,98.069 51.638,124.282 v2(51.587,124.333) ; v2(90.173,97.537) 90.703,98.067 90.703,124.28 v2(90.653,124.331) ; v2(129.848,97.535) 130.378,98.065 130.378,124.278 v2(130.327,124.329) ; v2(169.522,97.533) 170.053,98.063 170.053,124.276 v2(170.002,124.327) ; v2(219.197,97.531) 219.728,98.061 219.728,124.274 v2(219.677,124.325) ; v2(258.872,97.529) 259.403,98.059 259.403,124.272 v2(259.352,124.323) ; v2(298.547,97.527) 299.077,98.057 299.077,124.27 v2(299.027,124.321) ; v2(338.222,97.525) 338.752,98.055 338.752,124.268 v2(338.701,124.319)
12V_IN: C109.1 C110.1 C111.1 C157.1 C158.1 J4.1 L5.1 Q5.5 Q5.6 Q5.7 Q5.8 Q5.9 S3.1 TP28.1 U23.1 | length 8.9
  Top Layer w0.254: 18.136,167.81 18.449,168.124 U23.1@18.449,169.1
  Top Layer w0.508: J4.1@3.632,164.643 10.968,164.643 TP28.1@11.062,164.737
  other v4: 9.817,168.928 10.833,168.928 11.849,168.928 12.865,168.928 9.817,169.944 10.833,169.944 11.849,169.944 12.865,169.944 9.817,170.96 10.833,170.96 11.849,170.96 12.865,170.96